# Altium PCB LOAPAY_V6.6.8.PcbDoc (part 1 of 2) (continued)
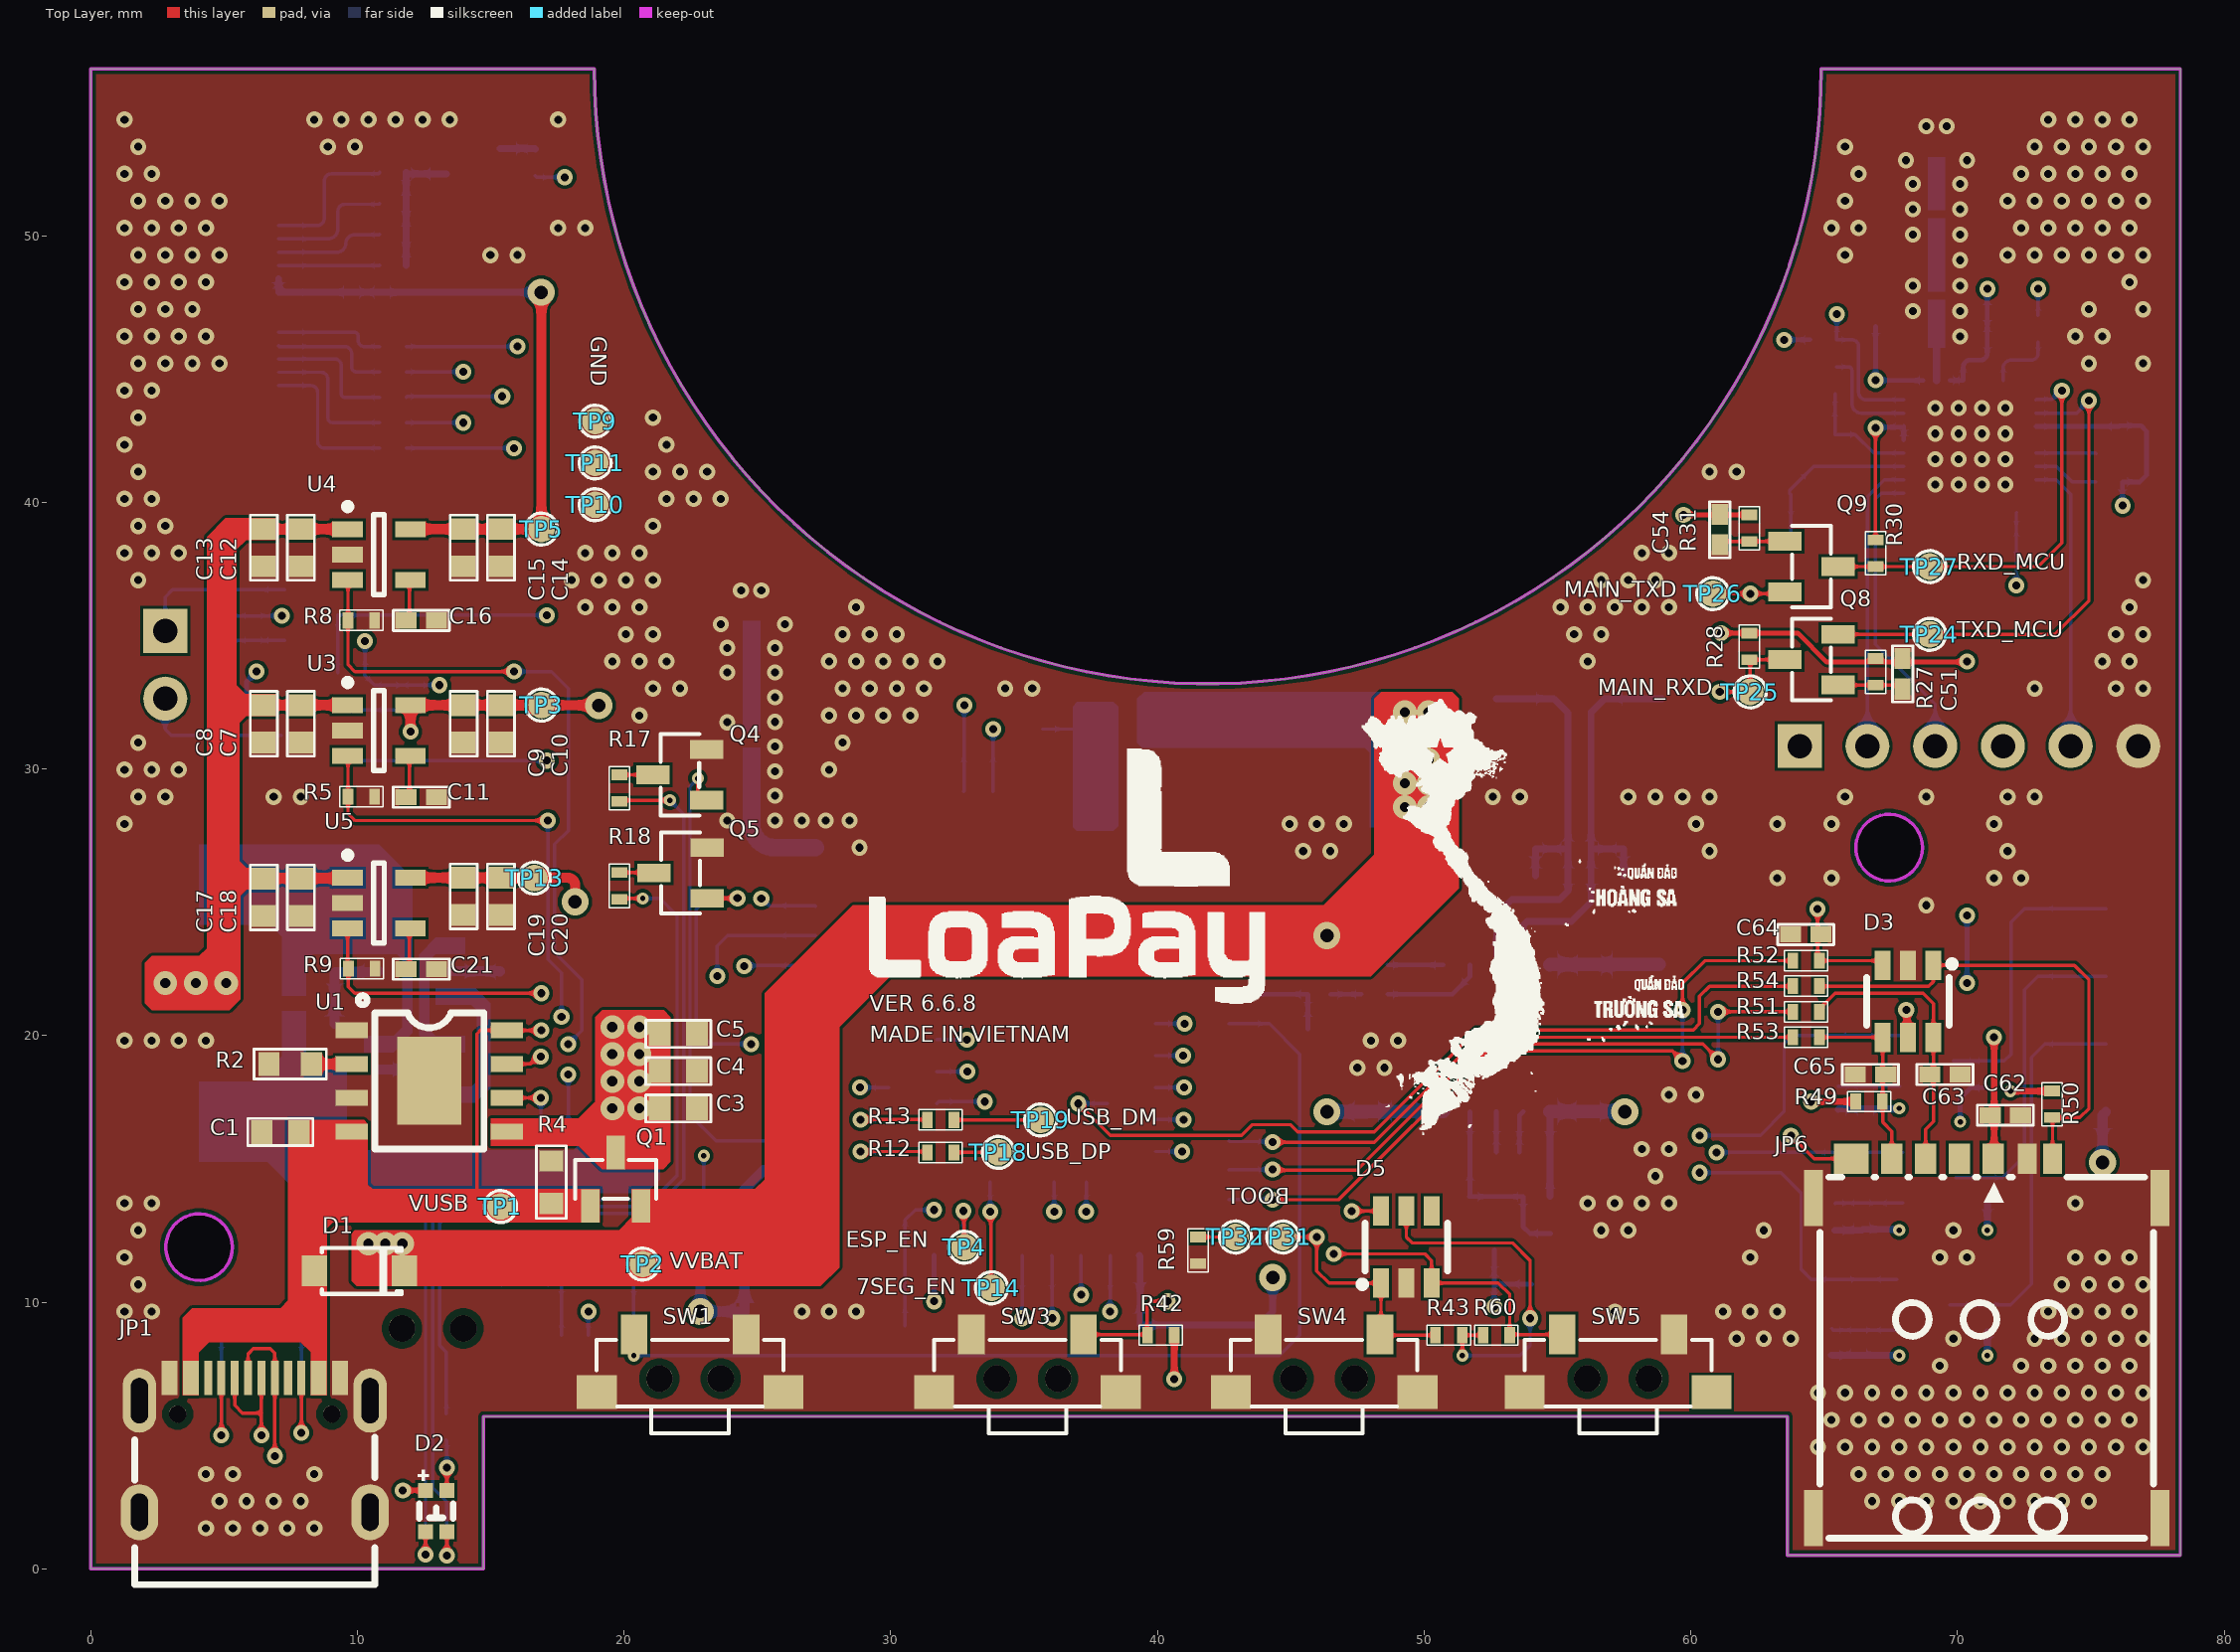
[diagram p0: Top Layer view]
## Components (designator, comment, footprint, x,y, rotation, side; value= is the part's Value field where it differs from the comment) (continued)
TP12 "Test Point" TEST_POINT 30.53,9.116 r90 bottom
TP13 "Test Point" TEST_POINT 16.637,25.908 r90 top
TP14 "Test Point" TEST_POINT 33.782,10.541 r90 top
TP15 "Test Point" TEST_POINT 35.687,31.496 r90 bottom
TP16 "Test Point" TEST_POINT 24.511,9.652 r90 bottom
TP17 "Test Point" TEST_POINT 39.37,9.144 r90 bottom
TP18 "Test Point" TEST_POINT 34.036,15.621 r90 top
TP19 "Test Point" TEST_POINT 35.62,16.837 r90 top
TP20 "Test Point" TEST_POINT 45.639,20.25 r90 bottom
TP21 "Test Point" TEST_POINT 54.737,12.573 r90 bottom
TP22 "Test Point" TEST_POINT 44.831,24.13 r90 bottom
TP23 "Test Point" TEST_POINT 54.033,10.676 r90 bottom
TP24 "Test Point" TEST_POINT 68.961,35.052 r90 top
TP25 "Test Point" TEST_POINT 62.23,32.893 r90 top
TP26 "Test Point" TEST_POINT 60.833,36.576 r90 top
TP27 "Test Point" TEST_POINT 68.961,37.592 r90 top
TP28 "Test Point" TEST_POINT 65.532,10.795 r0 bottom
TP29 "Test Point" TEST_POINT 65.532,15.621 r0 bottom
TP30 "Test Point" TEST_POINT 66.294,19.989 r0 bottom
TP31 "Test Point" TEST_POINT 44.704,12.446 r90 top
TP32 "Test Point" TEST_POINT 42.926,12.446 r90 top
U1 "TP4056" IC_ESOP-8 12.697,18.3 r270 top
U2 "DW01A" IC_SOT23-6 13.495,23.368 r180 bottom
U3 "RT9193-33GB" ICP_SOT23_5 10.809,31.447 r0 top
U4 "RT9193-33GB" ICP_SOT23_5 10.809,38.045 r0 top
U5 "RT9193-33GB" ICP_SOT23_5 10.809,24.97 r0 top
U6 "EC800M-CN" ECM800-CN 35.178,20.451 r180 bottom
U7 "HAA9811" IC_ESOP-10 52.875,19.904 r180 bottom
U8 "ESP8285N08" QFN-32_L5.0-W5.0 70.465,42.071 r270 bottom
Y1 "26MHz" SMD3225-4P 64.542,41.432 r270 bottom

## Footprints (in the part's own frame and the unit in brackets; to place one, negate y for a bottom-side part, rotate by r counter-clockwise, add the part's x,y. Pads: shape width x height; smd on the part's side, far side on the other; paste and mask are expansions set on the pad)
BX-TS-26-3635TT [mm]
  rect 1x1.5 smd paste+0 mask+0.051: 1(1.4,-2.159) 2(5.6,-2.159)
  rect 1.5x1.27 smd paste+0 mask+0.051: 3(0,0) 4(7,0)
  round 1 hole 1 unplated paste-2539.97: ""(2.35,-0.505) ""(4.65,-0.505)
  silkscreen extent 0,-1.95 7,1.55, body extent -0.43,-2.23 7.37,1.47, height 3.5
C0402_2 [mm]
  rect 0.79x0.6 smd: 1(-0.581,0) 2(0.562,0)
  silkscreen extent -1.07,-0.38 1.04,0.38, body extent -0.57,-0.3 0.43,0.3, height 0.2
C0603 [mm]
  rect 0.813x0.9 smd paste+0 mask+0.051: 1(-0.7,0) 2(0.7,0)
  silkscreen extent -1.22,-0.51 1.22,0.51, body extent -0.8,-0.4 0.8,0.4, height 0.6
CAP-ALU-SMD-C-NEW [mm]
  rect 2.8x1.1 smd paste+0 mask+0.051: 1(0,0) 2(4.2,0)
  silkscreen extent -0.56,-2.62 4.76,2.65, body extent -0.79,-2.65 5.11,2.65, height 5.41
CAP-ALU-SMD-D-NEW [mm]
  rect 3.5x1.2 smd paste+0 mask+0.051: 1(0,0) 2(5.34,0)
  silkscreen extent -0.71,-3.38 6.05,3.38, body extent -0.83,-3.3 6.17,3.3, height 5.4
D_SOD-123_L2.8-W1.8-LS3.7-RD [mm]
  rect 0.95x1.15 smd paste+0 mask+0.051: 1(-1.693,0) 2(1.693,0)
  silkscreen extent -1.58,-0.87 1.41,0.87, body extent -1.95,-0.85 1.9,0.85, height 1.36
D_SOT23-6 [mm]
  rect 1.1x0.6 smd paste+0 mask+0.051: 1(0,0) 2(0,-0.95) 3(0,-1.9) 4(2.7,-1.9) 5(2.7,-0.95) 6(2.7,0)
  silkscreen extent -0.17,-2.5 2.25,0.83, body extent 0.15,-2.52 2.65,0.48, height 1.1
ECM800-CN [mm]
  oval 2.3x0.6 smd paste+0 mask+0.05: 1(-7.5,6.6) 2(-7.5,5.5) 3(-7.5,4.4) 4(-7.5,3.3) 5(-7.5,2.2) 6(-7.5,1.1) 7(-7.5,0) 8(-7.5,-1.1) 9(-7.5,-2.2) 10(-7.5,-3.3) 11(-7.5,-4.4) 12(-7.5,-5.5) 13(-7.5,-6.6) 23(8,-6.6) 24(8,-5.5) 25(8,-4.4) 26(8,-3.3) 27(8,-2.2) 28(8,-1.1) 29(8,0) 30(8,1.1) 31(8,2.2) 32(8,3.3) 33(8,4.4) 34(8,5.5)
  oval 0.6x2.3 smd paste+0 mask+0.05: 14(-4.15,-8.7) 15(-3.05,-8.7) 16(-1.95,-8.7) 17(-0.85,-8.7) 18(0.25,-8.7) 19(1.35,-8.7) 20(2.45,-8.7) 21(3.55,-8.7) 22(4.65,-8.7) 36(4.65,8.7) 37(3.55,8.7) 38(2.45,8.7) 39(1.35,8.7) 40(0.25,8.7) 41(-0.85,8.7) 42(-1.95,8.7) 43(-3.05,8.7) 44(-4.15,8.7) 95(-5.25,-8.7) 96(5.75,-8.7) 97(5.75,8.7) 98(-5.25,8.7)
  oval 2.3x0.66 smd paste+0 mask+0.05: 35(8,6.6)
  rect 1x0.7 smd paste+0 mask+0.05: 45(-4.75,4.8) 46(-4.75,3.6) 47(-4.75,2.4) 48(-4.75,1.2) 49(-4.75,0) 50(-4.75,-1.2) 51(-4.75,-2.4) 52(-4.75,-3.6) 53(-4.75,-4.8) 59(5.25,-4.8) 60(5.25,-3.6) 61(5.25,-2.4) 62(5.25,-1.2) 63(5.25,0) 64(5.25,1.2) 65(5.25,2.4) 66(5.25,3.6) 67(5.25,4.8) 73(-2.95,4.2) 74(-2.95,3) 75(-2.95,1.8) 76(-2.95,0.6) 77(-2.95,-0.6) 78(-2.95,-1.8) 79(-2.95,-3) 80(-2.95,-4.2) 81(3.45,-4.2) 82(3.45,-3) 83(3.45,-1.8) 84(3.45,-0.6) 85(3.45,0.6) 86(3.45,1.8) 87(3.45,3) 88(3.45,4.2) 99(-4.75,6) 100(-4.75,-6) 103(5.25,-6) 104(5.25,6)
  rect 0.7x1 smd paste+0 mask+0.05: 54(-2.15,-5.95) 55(-0.95,-5.95) 56(0.25,-5.95) 57(1.45,-5.95) 58(2.65,-5.95) 68(2.65,5.95) 69(1.45,5.95) 70(0.25,5.95) 71(-0.95,5.95) 72(-2.15,5.95) 101(-3.35,-5.95) 102(3.85,-5.95) 105(3.85,5.95) 106(-3.35,5.95) 107(-0.95,-4.15) 108(0.25,-4.15) 109(1.45,-4.15)
  rect 1.3x1.3 smd paste+0 mask+0.05: 89(-0.65,1.8) 90(-0.65,0) 91(-0.65,-1.8) 92(1.15,-1.8) 93(1.15,0) 94(1.15,1.8)
  silkscreen extent -9.15,-8.9 8.15,8.8, body extent -7.65,-8.93 8.15,8.77, height 2.36
FPC-SMD-18P-TOP [mm]
  rect 0.3x1.8 smd paste+0 mask+0.05: 1(-4.25,0.95) 2(-3.75,0.95) 3(-3.25,0.95) 4(-2.75,0.95) 5(-2.25,0.95) 6(-1.75,0.95) 7(-1.25,0.95) 8(-0.75,0.95) 9(-0.25,0.95) 10(0.25,0.95) 11(0.75,0.95) 12(1.25,0.95) 13(1.75,0.95) 14(2.25,0.95) 15(2.75,0.95) 16(3.25,0.95) 17(3.75,0.95) 18(4.25,0.95)
  rect 2.5x3.2 smd paste+0 mask+0.05: 19(6.2,-0.95) 20(-6.2,-0.95)
  silkscreen extent -7.3,-4.84 7.3,1.78, body extent -7.55,-4.33 7.55,0.67, height 1.91
IC_ESOP-8 [mm]
  rect 0.6x1.2 smd paste+0 mask+0.051: 1(-1.905,-2.908) 2(-0.635,-2.908) 3(0.635,-2.908) 4(1.905,-2.908) 5(1.905,2.908) 6(0.635,2.908) 7(-0.635,2.908) 8(-1.905,2.908)
  rect 3.3x2.4 smd paste+0 mask+0.051: 9(0,0)
  silkscreen extent -3.2,-2.67 2.55,2.05, body extent -2.45,-3 2.45,3, height 1.75
IC_ESOP-10 [mm]
  rect 0.6x1.5 smd paste+0 mask+0.051: 1(-1.843,-2.75) 2(-0.843,-2.75) 3(0.157,-2.75) 4(1.157,-2.75) 5(2.157,-2.75) 6(2.157,2.75) 7(1.157,2.75) 8(0.157,2.75) 9(-0.843,2.75) 10(-1.843,2.75)
  rect 2.8x2.4 smd paste+0 mask+0.051: 11(0.157,0)
  silkscreen extent -2.78,-2.96 2.66,2, body extent -2.23,-2.74 2.67,2.74, height 1.69
IC_SOT23-6 [mm]
  rect 1.1x0.6 smd paste+0 mask+0.051: 1(0,0) 2(0,-0.95) 3(0,-1.9) 4(2.7,-1.9) 5(2.7,-0.95) 6(2.7,0)
  silkscreen extent -0.17,-2.5 2.25,0.83, body extent 0.15,-2.52 2.65,0.48, height 1.1
ICP_SOT23_5 [mm]
  rect 1.15x0.6 smd: 1(-1.175,0.95) 2(-1.175,0) 3(-1.175,-0.95) 4(1.175,-0.95) 5(1.175,0.95)
  silkscreen extent -1.3,-1.5 0.2,1.92, body extent -1.4,-1.45 1.4,1.45, height 1.45
IPEX-SMD_BWIPX-1-001E [mm]
  rect 1.05x1 smd paste+0 mask+0.051: 1(-1.274,0)
  rect 2.2x1.05 smd paste+0 mask+0.051: 2(0.251,-1.475) 2(0.251,1.475)
  silkscreen extent -1.15,-1.27 1.65,1.27, body extent -1.3,-1.5 1.8,1.5, height 1.25
"JP2_M - 2" [mil]
  rect 65x65 hole 36: 1(0,0)
  round 65 hole 36: 2(100,0)
  silkscreen extent -45,-45 145,45
"JP5_M_SMD - 2" [mm]
  rect 1.27x4 smd: 1(0,0)
  oval 1.27x4 smd: 2(2.54,0) 3(5.08,0) 4(7.62,0) 5(10.16,0)
  silkscreen extent -1.14,-2.41 11.3,2.41
JP6_M_2 [mil]
  rect 65x65 hole 36: 1(0,0)
  round 65 hole 36: 2(100,0) 3(200,0) 4(300,0) 5(400,0) 6(500,0)
  silkscreen extent -45,-45 547,45
"L0402 - 2" [mm]
  rect 0.7x0.6 smd paste-100 mask+0.051: 1(1,0) 2(0,0)
  silkscreen extent -0.43,-0.38 1.42,0.38, body extent 0,-0.25 1.02,0.25, height 0.52
LED-SMD_4P-L2.0-W1.3-BR [mm]
  rect 0.55x0.55 smd paste+0 mask+0.051: 1(0.529,-0.4) 2(-1.021,-0.4) 3(0.529,0.4) 4(-1.021,0.4)
  silkscreen extent -0.51,-0.64 1.3,0.68, body extent -1,-0.77 0.6,0.83, height 0.38
QFN-32_L5.0-W5.0 [mm]
  rect 0.65x0.28 smd paste-100 mask+0.051: 1(-2.506,1.75) 2(-2.506,1.25) 3(-2.506,0.75) 4(-2.506,0.25) 5(-2.506,-0.25) 6(-2.506,-0.75) 7(-2.506,-1.25) 8(-2.506,-1.75) 17(2.449,-1.75) 18(2.449,-1.25) 19(2.449,-0.75) 20(2.449,-0.25) 21(2.449,0.25) 22(2.449,0.75) 23(2.449,1.25) 24(2.449,1.75)
  rect 0.28x0.65 smd paste-100 mask+0.051: 9(-1.778,-2.478) 10(-1.278,-2.478) 11(-0.778,-2.478) 12(-0.278,-2.478) 13(0.222,-2.478) 14(0.722,-2.478) 15(1.222,-2.478) 16(1.722,-2.478) 25(1.722,2.478) 26(1.222,2.478) 27(0.722,2.478) 28(0.222,2.478) 29(-0.278,2.478) 30(-0.778,2.478) 31(-1.278,2.478) 32(-1.778,2.478)
  rect 3.8x3.8 smd paste-100 mask+0.051: 33(-0.028,0)
  silkscreen extent -3.03,-2.58 2.55,2.58, body extent -2.51,-2.51 2.51,2.51, height 0.77
RES_SMD_0402 [mm]
  rect 0.4x0.6 smd: 1(-0.5,0) 2(0.5,0)
  silkscreen extent -0.81,-0.38 0.81,0.38, body extent -0.5,-0.25 0.5,0.25, height 0.35
RES_SMD_0603 [mil]
  rect 31x35.43 smd: 1(-31,0) 2(32,0)
  silkscreen extent -53,-22 54,22, body extent -31,-16 31,16, height 17
RES_SMD_0805 [mil]
  rect 39.37x55 smd: 1(-45,0) 2(45,0)
  silkscreen extent -70,-34 70,33, body extent -39,-25 39,25, height 31
SIM-SMD_ATOM-A05447-1 [mm]
  rect 0.7x2.1 smd paste+0 mask+0.05: 1(-6.5,5.5) 2(-6.5,-6.5) 3(6.5,5.5) 4(6.5,-6.5)
  rect 0.8x1.14 smd paste+0 mask+0.05: C1(0.25,6.98) C2(-2.29,6.98) C6(-1.02,6.98) C7(-3.56,6.98)
  rect 1.3x1.14 smd paste+0 mask+0.05: C3(-5.08,6.98)
  rect 0.7x1.14 smd paste+0 mask+0.05: C5(1.52,6.98) CD(2.47,6.98)
  silkscreen extent -6.25,-7.26 6.25,6.29, body extent -6.52,-7.23 6.57,7.26, height 1.42
SMD3225-4P [mm]
  rect 1.4x1.2 smd paste+0 mask+0.051: 1(-1.113,-0.863) 2(1.087,-0.863) 3(1.087,0.837) 4(-1.113,0.837)
  silkscreen extent -2.04,-1.69 2.02,1.67, body extent -1.6,-1.25 1.6,1.25, height 0.68
"SOLDERING PAD BIG 5" [mm]
  rrect50% 5x3 smd: 1(0,0)
TEST_POINT [mm]
  round 1 smd: 1(0,0)
  silkscreen extent -0.6,-0.6 0.6,0.6
TF_SOT23-6 [mm]
  rect 1.1x0.6 smd paste+0 mask+0.051: 1(0,0) 2(0,-0.95) 3(0,-1.9) 4(2.7,-1.9) 5(2.7,-0.95) 6(2.7,0)
  silkscreen extent -0.17,-2.5 2.25,0.83, body extent 0.15,-2.52 2.65,0.48, height 1.1
TF_SOT_23_3 [mm]
  rect 0.7x1.25 smd paste+0 mask+0.051: 1(-0.95,-2.006) 2(0.95,-2.006) 3(0,-0.006)
  silkscreen extent -1.53,-1.73 1.53,-0.28, body extent -1.52,-2.29 1.47,0.21, height 1.1
"TYPE C 16P" [mm]
  rect 0.6x1.3 smd paste-100 mask+0.051: A1(1.125,-0.855) A1(7.525,-0.855) A4(1.925,-0.855) A4(6.725,-0.855)
  rect 0.3x1.3 smd paste-100 mask+0.051: A5(5.575,-0.855) A6(4.575,-0.855) A7(4.075,-0.855) A8(3.075,-0.855) B5(2.575,-0.855) B6(3.575,-0.855) B7(5.075,-0.855) B8(6.075,-0.855)
  oval 1.4x2.1 hole 0.65 slot 1.4 at 90 deg paste-2539.97 mask+0.05: S1(0,4.18) S1(8.65,4.18)
  oval 1.25x2.4 hole 0.65 slot 1.7 at 90 deg paste-2539.97 mask+0.05: S1(0,0) S1(8.65,0)
  round 0.65 hole 0.65 unplated paste-2539.97: ""(1.435,0.5) ""(7.215,0.5)
  silkscreen extent -0.18,1.36 8.83,6.9, body extent -0.16,-1.14 8.79,6.76, height 3.26

## Part data
AT1 AT2: library part "BAT WIRELESS BWU.FL-IPEX1", "1 Inner pin IPEX Board-End 1.25mm 6GHz 50Ω 2mm SMD Coaxial Connectors (RF) ROHS", LCSC Part=C5137195, Manufacturer="BAT WIRELESS", Package=SMD, Link=https://www.lcsc.com/product-detail/Coaxial-Connectors-RF_BAT-WIRELESS-BWU-FL-IPEX1_C5137195.html?s_z=n_IPEX, Manufacture Part Number=BWU.FL-IPEX1, Packaging="Cut Tape"
C1 C2 C3: library part C0603_MLCC_100nF_10V, "10V 100nF X7R ±10% 0603 Multilayer Ceramic Capacitors MLCC - SMD/SMT ROHS", LCSC Part=C519438, Manufacture Part Number=CC0603KRX7R6BB104, Manufacturer=YAGEO, Package=0603, Tolerance=±10%, Link=https://www.lcsc.com/product-detail/Multilayer-Ceramic-Capacitors-MLCC-SMD-SMT_YAGEO-CC0603KRX7R6BB104_C519438.html?s_z=n_0603%20100nF%2010V, Packaging="Cut Tape (CT)"
C4 C6 C7 C10 C12 C15 C17 C20 C32: library part C0603_MLCC_10uF_10V, "10V 10uF X5R ±10% 0603 Multilayer Ceramic Capacitors MLCC - SMD/SMT ROHS", LCSC Part=C19702, Manufacture Part Number=CL10A106KP8NNNC, Manufacturer="Samsung Electro-Mechanics", Package=0603, Tolerance=±10%, Link=https://www.lcsc.com/product-detail/Multilayer-Ceramic-Capacitors-MLCC-SMD-SMT_Samsung-Electro-Mechanics-CL10A106KP8NNNC_C19702.html?s_z=h_0603%2010uF%2010V, Packaging="Cut Tape (CT)"
C5 C40: library part C0603_MLCC_22uF_10V, "10V 22uF X5R ±20% 0603 Multilayer Ceramic Capacitors MLCC - SMD/SMT ROHS", LCSC Part=C86295, Manufacture Part Number=CL10A226MP8NUNE, Manufacturer="Samsung Electro-Mechanics", Package=0603, Tolerance=±20%, Link=https://www.lcsc.com/product-detail/Multilayer-Ceramic-Capacitors-MLCC-SMD-SMT_Samsung-Electro-Mechanics-CL10A226MP8NUNE_C86295.html?s_z=n_0603%2022uF%2010V, Packaging="Cut Tape (CT)"
C8 C9 C13 C14 C18 C19 C38 C39: library part C0603_MLCC_1uF_10V, "10V 1uF X5R ±10% 0603 Multilayer Ceramic Capacitors MLCC - SMD/SMT ROHS", LCSC Part=C26413, Manufacture Part Number=CL10A105KP8NNNC, Manufacturer="Samsung Electro-Mechanics", Package=0603, Tolerance=±10%, Link=https://www.lcsc.com/product-detail/Multilayer-Ceramic-Capacitors-MLCC-SMD-SMT_Samsung-Electro-Mechanics-CL10A105KP8NNNC_C26413.html?s_z=n_0603%201uF%2010V, Packaging="Cut Tape (CT)"
C11 C16 C21: library part C0402_MLCC_22pF_50V, "50V 22pF NP0 ±1% 0402 Multilayer Ceramic Capacitors MLCC - SMD/SMT ROHS", LCSC Part=C295968, Manufacture Part Number=0402N220F500CT, Manufacturer="Walsin Tech Corp", Package=0402, Tolerance=±1%, Link=https://www.lcsc.com/product-detail/Multilayer-Ceramic-Capacitors-MLCC-SMD-SMT_Walsin-Tech-Corp-0402N220F500CT_C295968.html?s_z=n_0402N220F500CT, Packaging="Cut Tape (CT)"
C22 C50 C62: library part C0402_MLCC_100nF_16V, "16V 100nF X7R ±10% 0402 Multilayer Ceramic Capacitors MLCC - SMD/SMT ROHS", LCSC Part=C60474, Manufacture Part Number=CC0402KRX7R7BB104, Manufacturer=YAGEO, Package=0402, Tolerance=±10%, Link=https://www.lcsc.com/product-detail/Multilayer-Ceramic-Capacitors-MLCC-SMD-SMT_YAGEO-CC0402KRX7R7BB104_C60474.html?s_z=n_0402%20100nF, Packaging="Cut Tape (CT)"
C23 C34 C41 C44 C63 C64 C65: library part C0402_MLCC_33pF_50V, "50V 33pF NP0 ±5% 0402 Multilayer Ceramic Capacitors MLCC - SMD/SMT ROHS", LCSC Part=C107005, Manufacture Part Number=CC0402JRNPO9BN330, Manufacturer=YAGEO, Package=0402, Tolerance=±5%, Link=https://www.lcsc.com/product-detail/Multilayer-Ceramic-Capacitors-MLCC-SMD-SMT_YAGEO-CC0402JRNPO9BN330_C107005.html?s_z=n_0402%2033Pf, Packaging="Cut Tape (CT)"
C24 C35 C42 C45 C46 C47: library part C0402_MLCC_10pF_50V, "50V 10pF C0G ±5% 0402 Multilayer Ceramic Capacitors MLCC - SMD/SMT ROHS", LCSC Part=C513437, Manufacture Part Number=V100J0402C0G500NBT, Manufacturer=VIIYONG, Package=0402, Tolerance=±5%, Link=https://www.lcsc.com/product-detail/Multilayer-Ceramic-Capacitors-MLCC-SMD-SMT_VIIYONG-V100J0402C0G500NBT_C513437.html?s_z=n_0402%2010p, Packaging="Cut Tape (CT)"
C25: library part C0402_MLCC_3.9pF_50V, "50V 3.9pF NP0 0402 Multilayer Ceramic Capacitors MLCC - SMD/SMT ROHS", LCSC Part=C505474, Manufacture Part Number=CC0402BRNPO9BN3R9, Manufacturer=YAGEO, Package=0402, Tolerance=±0.1pF, Link=https://www.lcsc.com/product-detail/Multilayer-Ceramic-Capacitors-MLCC-SMD-SMT_YAGEO-CC0402BRNPO9BN3R9_C505474.html?s_z=n_0402%203.9p, Packaging="Cut Tape (CT)"
C26: library part C0402_MLCC_1.8pF_50V, "50V 1.8pF C0G 0402 Multilayer Ceramic Capacitors MLCC - SMD/SMT ROHS", LCSC Part=C76903, Manufacture Part Number=GJM1555C1H1R8WB01D, Manufacturer="Murata Electronics", Package=0402, Tolerance=±0.05pF, Link=https://www.lcsc.com/product-detail/Multilayer-Ceramic-Capacitors-MLCC-SMD-SMT_Murata-Electronics-GJM1555C1H1R8WB01D_C76903.html?s_z=n_0402%201.8p, Packaging="Cut Tape (CT)"
C27: library part C_ALU_100uF_10V_C, "100uF 10V 49mA@120Hz ±20% SMD,D5xL5.4mm Aluminum Electrolytic Capacitors - SMD ROHS", LCSC Part=C3001205, Manufacture Part Number=CS1A101M-CRD54, Manufacturer=ROQANG, Package=SMD,D5xL5.4mm, Tolerance=±20%, Link=https://www.lcsc.com/product-detail/Aluminum-Electrolytic-Capacitors-SMD_ROQANG-CS1A101M-CRD54_C3001205.html?s_z=n_C3001205, Packaging="Cut Tape (CT)"
C28 C29: library part C0402_MLCC_1pF_50V, "50V 1pF NP0 0402 Multilayer Ceramic Capacitors MLCC - SMD/SMT ROHS", LCSC Part=C301966, Manufacture Part Number=0402N1R0B500CT, Manufacturer="Walsin Tech Corp", Package=0402, Tolerance=±0.1pF, Link=https://www.lcsc.com/product-detail/Multilayer-Ceramic-Capacitors-MLCC-SMD-SMT_Walsin-Tech-Corp-0402N1R0B500CT_C301966.html?s_z=n_0402%201pF, Packaging="Cut Tape (CT)"
C30 C31 C51 C54 C59 C60 C61: library part C0402_MLCC_1nF_50V, "50V 1nF X7R ±10% 0402 Multilayer Ceramic Capacitors MLCC - SMD/SMT ROHS", LCSC Part=C1852263, Manufacture Part Number=GCM155R71H102KA37J, Manufacturer="Murata Electronics", Package=0402, Tolerance=±10%, ComponentLink1Description="Link LCSC", Link=https://www.lcsc.com/product-detail/Multilayer-Ceramic-Capacitors-MLCC-SMD-SMT_Murata-Electronics-GCM155R71H102KA37J_C1852263.html?s_z=n_1nF%200402, Packaging="Cut Tape (CT)"
C33: library part C_ALU_220uF_10V_D, "220uF 10V 110mA@120Hz ±20% SMD,D6.3xL7.7mm Aluminum Electrolytic Capacitors - SMD ROHS", LCSC Part=C72495, Manufacture Part Number=RVT1A221M0607, Manufacturer=ROQANG, Package=SMD,D6.3xL7.7mm, Tolerance=±20%, Link=https://www.lcsc.com/product-detail/Aluminum-Electrolytic-Capacitors-SMD_ROQANG-RVT1A221M0607_C72495.html?s_z=n_RVT1A221M0607, Packaging="Cut Tape (CT)"
C36 C43: library part C0402_MLCC_3.3nF_50V, "50V 3.3nF X7R ±10% 0402 Multilayer Ceramic Capacitors MLCC - SMD/SMT ROHS", LCSC Part=C107028, Manufacture Part Number=CC0402KRX7R9BB332, Manufacturer=YAGEO, Package=0402, Tolerance=±10%, Link=https://www.lcsc.com/product-detail/Multilayer-Ceramic-Capacitors-MLCC-SMD-SMT_YAGEO-CC0402KRX7R9BB332_C107028.html?s_z=n_0402%25203.3nF%2520, Packaging="Cut Tape (CT)"
C37: library part C0402_MLCC_4.7uF_16V, "16V 4.7uF X5R ±20% 0402 Multilayer Ceramic Capacitors MLCC - SMD/SMT ROHS", LCSC Part=C318563, Manufacture Part Number=CL05A475MO5NUNC, Manufacturer="Samsung Electro-Mechanics", Package=0402, Tolerance=±20%, Link=https://www.lcsc.com/product-detail/Multilayer-Ceramic-Capacitors-MLCC-SMD-SMT_Samsung-Electro-Mechanics-CL05A475MO5NUNC_C318563.html?s_z=n_0402%204.7U, Packaging="Cut Tape (CT)"
C48 C55 C56 C57: library part C0402_MLCC_1uF_10V, "10V 1uF X5R ±10% 0402 Multilayer Ceramic Capacitors MLCC - SMD/SMT ROHS", LCSC Part=C14445, Manufacture Part Number=CL05A105KP5NNNC, Manufacturer="Samsung Electro-Mechanics", Package=0402, Tolerance=±10%, Link=https://www.lcsc.com/product-detail/Multilayer-Ceramic-Capacitors-MLCC-SMD-SMT_Samsung-Electro-Mechanics-CL05A105KP5NNNC_C14445.html?s_z=n_0402%201uF, Packaging="Cut Tape (CT)"
C49 C58: library part C0402_MLCC_10uF_10V, "10V 10uF X5R ±20% 0402 Multilayer Ceramic Capacitors MLCC - SMD/SMT ROHS", LCSC Part=C315248, Manufacture Part Number=CL05A106MP5NUNC, Manufacturer="Samsung Electro-Mechanics", Package=0402, Tolerance=±20%, Link=https://www.lcsc.com/product-detail/Multilayer-Ceramic-Capacitors-MLCC-SMD-SMT_Samsung-Electro-Mechanics-CL05A106MP5NUNC_C315248.html?s_z=n_10uF%2050V%200402, Packaging="Cut Tape (CT)"
C52: library part C0402_MLCC_1.4pF_50V, "50V 1.4pF C0G 0402 Multilayer Ceramic Capacitors MLCC - SMD/SMT ROHS", LCSC Part=C161310, Manufacture Part Number=GJM1555C1H1R4BB01D, Manufacturer="Murata Electronics", Package=0402, Tolerance=±0.1pF, Link=https://lcsc.com/product-detail/Multilayer-Ceramic-Capacitors-MLCC-SMD-SMT_Murata-Electronics-GJM1555C1H1R4BB01D_C161310.html?s_z=n_0402%25201.4pF, Packaging="Cut Tape (CT)"
C53: library part C0402_MLCC_1.7pF_50V, "50V 1.7pF C0G 0402 Multilayer Ceramic Capacitors MLCC - SMD/SMT ROHS", LCSC Part=C161313, Manufacture Part Number=GJM1555C1H1R7BB01D, Manufacturer="Murata Electronics", Package=0402, Tolerance=±0.1pF, Link=https://lcsc.com/product-detail/Multilayer-Ceramic-Capacitors-MLCC-SMD-SMT_Murata-Electronics-GJM1555C1H1R7BB01D_C161313.html?s_z=n_0402%25201.7pF, Packaging="Cut Tape (CT)"
D1: "1A Independent Type 1000V 1.1V SOD-123FL Diodes - General Purpose ROHS", LCSC Part=C83356, Manufacturer=LRC, Package=SOD-123FL, Link=https://www.lcsc.com/product-detail/Diodes-General-Purpose_LRC-SOD4007-SH_C83356.html?s_z=n_SOD4007-SH, Manufacture Part Number=SOD4007-SH, Packaging="Cut Tape"
D2: "0805 RGB LEDs ROHS", LCSC Part=C965848, Manufacturer=XINGLIGHT, Package=0805, Link=https://lcsc.com/product-detail/RGB-LEDs_XINGLIGHT-XL-2012RGBC_C965848.html?s_z=n_RGB%2520LEDS, Manufacture Part Number=XL-2012RGBC, Packaging="Cut Tape (CT)"
D3 D4 D5: "4.5A 60W 12V 6V Unidirectional 5V SOT23-6 ESD and Surge Protection (TVS/ESD) ROHS", LCSC Part=C5180279, Manufacturer=ElecSuper, Package=SOT23-6, Link=https://www.lcsc.com/product-detail/ESD-and-Surge-Protection-TVS-ESD_ElecSuper-USBLC6-4SC6-ES_C5180279.html?s_z=n_USBLC6-4SC6, Manufacture Part Number=USBLC6-4SC6-ES, Packaging="Cut Tape"
JP1: library part TYPE_C_16P, "USB-C (USB TYPE-C) USB 2.0 Receptacle Connector 24 (16+8 Dummy) Position Surface Mount, Right Angle; Through Hole", LCSC Part=C2765186, Manufacture Part Number=12402012E212A, Manufacturer="Amphenol ICC (Commercial Products)", Package=Plugin, Link=https://www.lcsc.com/product-detail/USB-Connectors_SHOU-HAN-TYPE-C-16PIN-2MD-073_C2765186.html?s_z=n_c2765186, Packaging="Cut Tape"
JP2: "Straight Policy 2.5mm 2P 6mm -40℃~+105℃ 3mm 2.54mm Single Row Black Brass 1x2P Plugin,P=2.54mm Pin Headers ROHS", LCSC Part=C492401, Manufacturer=XFCN, Package=Push-Pull,P=2.54mm, Link=https://www.lcsc.com/product-detail/Pin-Headers_XFCN-PZ254V-11-02P_C492401.html?s_z=n_PZ254-11-02P, Manufacture Part Number=PZ254V-11-02P, Packaging="Cut Tape"
JP3: "250V 3A Policy 2.5mm 4P 6mm -40℃~+105℃ 3mm 2.54mm Single Row Black 1x4P Plugin,P=2.54mm Pin Headers ROHS", LCSC Part=C492405, Manufacturer=XFCN, Package=Plugin,P=2.54mm, Link=https://www.lcsc.com/product-detail/Pin-Headers_XFCN-PZ254V-11-06P_C492405.html?s_z=n_PZ254V-11-06P, Manufacture Part Number=PZ254V-11-06P, Packaging="Cut Tape"
JP4: "Drawer Type -25℃~+85℃ 18P Contact,Top Horizontal attachment 0.5mm SMD,P=0.5mm,Surface Mount，Right Angle FFC, FPC (Flat Flexible) Connector Assemblies ROHS", LCSC Part=C2828051, Manufacturer="Shenzhen Kinghelm Elec", Package="SMD,P=0.5mm,Surface Mount，Right Angle", Link=https://www.lcsc.com/product-detail/FFC-FPC-Flat-Flexible-Connector-Assemblies_Shenzhen-Kinghelm-Elec-KH-CL0-5-H2-0-18PS_C2828051.html, Manufacture Part Number=KH-CL0.5-H2.0-18PS, Packaging="Cut Tape"
JP5: library part "XFCN PZ254V-11-05P", "Policy 2.5mm 5P 6mm -40℃~+105℃ 3mm 2.54mm Single Row Black Brass 1x5P Plugin,P=2.54mm Pin Headers ROHS", LCSC Part=C492404, Manufacturer=XFCN, Package=Plugin,P=2.54mm, Link=https://www.lcsc.com/product-detail/Pin-Headers_XFCN-PZ254V-11-05P_C492404.html?s_z=n_XFCN%20PZ254V-11-05P, Manufacture Part Number=PZ254V-11-05P, Packaging="Cut Tape"
JP6: "Self-bouncing 1.37mm Card Slot Nano SIM card SMD SIM Card Connectors ROHS", LCSC Part=C36936580, Manufacturer=BXCONN, Package=SMD, Link=https://www.lcsc.com/product-detail/SIM-Card-Connectors_BXCONN-SIM304-TZ7P_C36936580.html?s_z=s_Connectors%7CSIM%20Card%20Connectors, Manufacture Part Number=SIM304-TZ7P, Packaging="Cut Tape"
L1: library part L0402_1.9nH_1.04A, "1.04A 1.9nH ±10% 70mΩ 0402 Inductors (SMD) ROHS", Current=1.04A, Inductor=1.9nH, LCSC Part=C317664, Manufacture Part Number=FHW0402UC1N9KST, Manufacturer="FH (Guangdong Fenghua Advanced Tech)", Package=0402, Link=https://lcsc.com/product-detail/Inductors-SMD_FH-Guangdong-Fenghua-Advanced-Tech-FHW0402UC1N9KST_C317664.html?s_z=n_0402%25201.9nH, Packaging="Cut Tape"
L2: library part L0402_3nH_800mA, "800mA 3nH 125mΩ 0402 Inductors (SMD) ROHS", Current=800mA, Inductor=3nH, LCSC Part=C19898, Manufacture Part Number=LQG15HS3N0S02D, Manufacturer="Murata Electronics", Package=0402, Link=https://lcsc.com/product-detail/Inductors-SMD_Murata-Electronics-LQG15HS3N0S02D_C19898.html?s_z=n_0402%25203nH, Packaging="Cut Tape"
Q1: "30V 4.2A 42mΩ@10V,4A 1.4W 800mV@250uA 1 Piece P-Channel SOT-23 MOSFETs ROHS", Continuous Drain Current (Id)=4.2A, Drain Source Voltage (Vdss)=30V, LCSC Part=C5224195, Manufacturer=ElecSuper, Package=SOT-23-3, Power Dissipation (Pd)=1.4W, Link=https://www.lcsc.com/product-detail/MOSFETs_ElecSuper-AO3401_C5224195.html, Manufacture Part Number=AO3401, Packaging="Cut Tape (CT)"
Q2: "20V 25mΩ@2.5V,3A 1.5W 500mV SOT-23-6 MOSFETs ROHS", Drain to Source Voltage=20V, Gate Threshold Voltage (Vgs(th)@Id)=500mV, LCSC Part=C2830320, Manufacturer="TECH PUBLIC", Package=SOT-23-6, Link=https://www.lcsc.com/product-detail/MOSFETs_TECH-PUBLIC-FS8205A_C2830320.html?s_z=n_fs8205, Manufacture Part Number=FS8205A, Packaging="Cut Tape (CT)", RDS(on)=25mΩ@2.5V,3A
Q3 Q4 Q5 Q6 Q7 Q8 Q9 Q10 Q11 Q12 Q13: "50V 200mW 200@2mA,6V 150mA NPN SOT-23 Bipolar (BJT) ROHS", Collector - Emitter Voltage VCEO=50V, Current - Collector Cutoff=100nA, Current - Collector(Ic)=150mA, DC Current Gain=200@2mA,6V, LCSC Part=C181171, Manufacturer="Guangdong Hottech", Package=SOT-23-3, Pd - Power Dissipation=200mW, Transition frequency(fT)=80MHz, Link=https://www.lcsc.com/product-detail/Bipolar-BJT_Guangdong-Hottech-2SC1815_C181171.html?s_z=n_c1815, Manufacture Part Number=2SC1815, Packaging="Cut Tape (CT)", Vce Saturation(VCE(sat))=250mV
R1 R3: library part R0603_1K, "1 kOhms ±1% 0.1W, 1/10W Chip Resistor 0603 (1608 Metric) Moisture Resistant Thick Film", LCSC Part=C22548, Manufacture Part Number=RC0603FR-071KL, Manufacturer=YAGEO, Package=0603, Tolerance=±1%, Link=https://www.lcsc.com/product-detail/Chip-Resistor-Surface-Mount_YAGEO-RC0603FR-071KL_C22548.html?s_z=n_RC0603FR-071KL, Link Digikey=https://www.digikey.com/en/products/detail/yageo/RC0603FR-071KL/726843, Packaging="Cut Tape (CT)"
R2: library part R0603_2K, "2 kOhms ±1% 0.1W, 1/10W Chip Resistor 0603 (1608 Metric) Moisture Resistant Thick Film", LCSC Part=C105576, Manufacture Part Number=RC0603FR-072KL, Manufacturer=YAGEO, Package=0603, Tolerance=±1%, Link=https://www.lcsc.com/product-detail/Chip-Resistor-Surface-Mount_YAGEO-RC0603FR-072KL_C105576.html?s_z=n_RC0603FR-072KL, Link Digikey=https://www.digikey.com/en/products/detail/yageo/RC0603FR-072KL/727009, Packaging="Cut Tape (CT)"
R4: library part R0603_10K, "10 kOhms ±1% 0.1W, 1/10W Chip Resistor 0603 (1608 Metric) Moisture Resistant Thick Film", LCSC Part=C98220, Manufacture Part Number=RC0603FR-0710KL, Manufacturer=YAGEO, Package=0603, Tolerance=±1%, Link=https://www.lcsc.com/product-detail/Chip-Resistor-Surface-Mount_YAGEO-RC0603FR-0710KL_C98220.html?s_z=n_RC0603FR-0710KL, Link Digikey=https://www.digikey.com/en/products/detail/yageo/RC0603FR-0710KL/726880, Packaging="Cut Tape (CT)"
R5 R8 R9 R15 R19 R23 R24 R26 R28 R29 R30 R32 R33 R41 R42 R43 R44 R46 R48 R60: library part R0402_10K, "10 kOhms ±1% 0.063W, 1/16W Chip Resistor 0402 (1005 Metric) Moisture Resistant Thick Film", LCSC Part=C60490, Manufacture Part Number=RC0402FR-0710KL, Manufacturer=YAGEO, Package=0402, Tolerance=±1%, Link=https://www.lcsc.com/product-detail/Chip-Resistor-Surface-Mount_YAGEO-RC0402FR-0710KL_C60490.html?s_z=n_RC0402FR-0710KL, Link Digikey=https://www.digikey.com/en/products/detail/yageo/RC0402FR-0710KL/726523, Packaging="Cut Tape (CT)"
R6 R7: library part R0402_5.1K, "5.1 kOhms ±1% 0.063W, 1/16W Chip Resistor 0402 (1005 Metric) Thick Film", LCSC Part=C4346772, Manufacture Part Number=RC0402FR-135K1L, Manufacturer=YAGEO, Package=0402, Tolerance=±1%, Link=https://www.lcsc.com/product-detail/Chip-Resistor-Surface-Mount_YAGEO-RC0402FR-135K1L_C4346772.html?s_z=n_RC0402FR-135K1L, Link Digikey=https://www.digikey.com/en/products/detail/yageo/RC0402FR-135K1L/14286364, Packaging="Cut Tape (CT)"
R10: library part R0805_0R, "0 Ohms Jumper Chip Resistor 0805 (2012 Metric) Moisture Resistant Thick Film", LCSC Part=C96345, Manufacture Part Number=RC0805JR-070RL, Manufacturer=YAGEO, Package=0805, Tolerance=±1%, Link=https://www.lcsc.com/product-detail/Chip-Resistor-Surface-Mount_YAGEO-RC0805JR-070RL_C96345.html?s_z=n_RC0805JR-070RL, Link Digikey=https://www.digikey.com/en/products/detail/yageo/RC0805JR-070RL/728216, Packaging="Cut Tape (CT)"
R11 R12 R13 R51 R52 R53 R54 R55 R56 R57 R58 R61: library part R0402_0R, "0 Ohms Jumper Chip Resistor 0402 (1005 Metric) Moisture Resistant Thick Film", LCSC Part=C60485, Manufacture Part Number=RC0402JR-070RL, Manufacturer=YAGEO, Package=0402, Tolerance=±1%, Link=https://www.lcsc.com/product-detail/Chip-Resistor-Surface-Mount_YAGEO-RC0402JR-070RL_C60485.html?s_z=n_RC0402JR-070RL, Link Digikey=https://www.digikey.com/en/products/detail/yageo/RC0402JR-070RL/726406, Packaging="Cut Tape (CT)"
R14 R20 R27 R31 R40 R45 R47 R59: library part R0402_4.7K, "4.7 kOhms ±1% 0.063W, 1/16W Chip Resistor 0402 (1005 Metric) Thick Film", LCSC Part=C851841, Manufacture Part Number=RC0402FR-074K7P, Manufacturer=YAGEO, Package=0402, Tolerance=±1%, Link=https://www.lcsc.com/product-detail/Chip-Resistor-Surface-Mount_YAGEO-RC0402FR-074K7P_C851841.html?s_z=n_RC0402FR-074K7P, Link Digikey=https://www.digikey.com/en/products/detail/yageo/RC0402FR-074K7P/4935287, Packaging="Cut Tape (CT)"
R16 R17 R18 R38: library part R0402_1K, "1 kOhms ±1% 0.063W, 1/16W Chip Resistor 0402 (1005 Metric) Moisture Resistant Thick Film", LCSC Part=C106235, Manufacture Part Number=RC0402FR-071KL, Manufacturer=YAGEO, Package=0402, Tolerance=±1%, Link=https://www.lcsc.com/product-detail/Chip-Resistor-Surface-Mount_YAGEO-RC0402FR-071KL_C106235.html?s_z=n_RC0402FR-071KL, Link Digikey=https://www.digikey.com/en/products/detail/yageo/RC0402FR-071KL/726513, Packaging="Cut Tape (CT)"
R21 R22: library part R0402_20K, "20 kOhms ±1% 0.063W, 1/16W Chip Resistor 0402 (1005 Metric) Moisture Resistant Thick Film", LCSC Part=C93942, Manufacture Part Number=RC0402FR-0720KL, Manufacturer=YAGEO, Package=0402, Tolerance=±1%, Link=https://www.lcsc.com/product-detail/Chip-Resistor-Surface-Mount_YAGEO-RC0402FR-0720KL_C93942.html?s_z=n_RC0402FR-0720KL, Link Digikey=https://www.digikey.com/en/products/detail/yageo/RC0402FR-0720KL/726557, Packaging="Cut Tape (CT)"
R25: library part R0402_12K, "12 kOhms ±1% 0.063W, 1/16W Chip Resistor 0402 (1005 Metric) Moisture Resistant Thick Film", LCSC Part=C114760, Manufacture Part Number=RC0402FR-0712KL, Manufacturer=YAGEO, Package=0402, Tolerance=±1%, Link=https://www.lcsc.com/product-detail/Chip-Resistor-Surface-Mount_YAGEO-RC0402FR-0712KL_C114760.html?s_z=n_RC0402FR-0712KL, Link Digikey=https://www.digikey.com/en/products/detail/yageo/RC0402FR-0712KL/726532, Packaging="Cut Tape (CT)"
R34 R35 R36 R37: library part R0402_100R, "100 Ohms ±1% 0.063W, 1/16W Chip Resistor 0402 (1005 Metric) Automotive AEC-Q200, Moisture Resistant Thick Film", LCSC Part=C4553535, Manufacture Part Number=AC0402FR-13100RL, Manufacturer=YAGEO, Package=0402, Tolerance=±1%, Link=https://www.lcsc.com/product-detail/Chip-Resistor-Surface-Mount_YAGEO-AC0402FR-13100RL_C4553535.html?s_z=n_AC0402FR-13100RL, Link Digikey=https://www.digikey.com/en/products/detail/yageo/AC0402FR-13100RL/13694174, Packaging="Cut Tape (CT)"
R39: library part R0402_3K, "3 kOhms ±1% 0.063W, 1/16W Chip Resistor 0402 (1005 Metric) Automotive AEC-Q200, Moisture Resistant Thick Film", LCSC Part=C144761, Manufacture Part Number=AC0402FR-073KL, Manufacturer=YAGEO, Package=0402, Tolerance=±1%, Link=https://www.lcsc.com/product-detail/Chip-Resistor-Surface-Mount_YAGEO-AC0402FR-073KL_C144761.html?s_z=n_AC0402FR-073KL, Link Digikey=https://www.digikey.com/en/products/detail/yageo/AC0402FR-073KL/5895335, Packaging="Cut Tape (CT)"
R49: library part R0402_15K, "15 kOhms ±1% 0.063W, 1/16W Chip Resistor 0402 (1005 Metric) Moisture Resistant Thick Film", LCSC Part=C114761, Manufacture Part Number=RC0402FR-0715KL, Manufacturer=YAGEO, Package=0402, Tolerance=±1%, Link=https://www.lcsc.com/product-detail/Chip-Resistor-Surface-Mount_YAGEO-RC0402FR-0715KL_C114761.html?s_z=n_RC0402FR-0715KL, Link Digikey=https://www.digikey.com/en/products/detail/yageo/RC0402FR-0715KL/726541, Packaging="Cut Tape (CT)"
R50: library part R0402_51K, "51 kOhms ±1% 0.063W, 1/16W Chip Resistor 0402 (1005 Metric) Moisture Resistant Thick Film", LCSC Part=C107229, Manufacture Part Number=RC0402FR-0751KL, Manufacturer=YAGEO, Package=0402, Tolerance=±1%, Link=https://www.lcsc.com/product-detail/Chip-Resistor-Surface-Mount_YAGEO-RC0402FR-0751KL_C107229.html?s_z=n_RC0402FR-0751KL, Link Digikey=https://www.digikey.com/en/products/detail/yageo/RC0402FR-0751KL/726628, Packaging="Cut Tape (CT)"
SP1 SP2 SP3 SP4: library part "SOLDERING PAD", "Soldering Pad"
SW1 SW2 SW3 SW4 SW5: "Without bracket 50mA 3.6mm 100000 Times 260gf 12V 3.5mm 3.5mm Rectangle button Standing paste SPST SMD,3x6mm Tactile Switches ROHS", LCSC Part=C18078107, Manufacturer=Bossie, Package=SMD,3x6mm, Link=https://www.lcsc.com/product-detail/Tactile-Switches_Bossie-BX-TS-26-3635TT_C18078107.html?s_z=n_tactile, Manufacture Part Number=C18078107, Packaging="Cut Tape"
TP1 TP2 TP3 TP4 TP5 TP6 TP7 TP8 TP9 TP10 TP11 TP12 TP13 TP14 TP15 TP16 TP17 TP18 TP19 TP20 TP21 TP22 TP23 TP24 TP25 TP26 TP27 TP28 TP29 TP30 TP31 TP32: library part TEST_POINT
U1: "ESOP-8 Battery Management ICs ROHS", LCSC Part=C7473158, Manufacture Part Number=TP4056-MS, Manufacturer=MSKSEMI, Package=ESOP-8, Link=https://www.lcsc.com/product-detail/Battery-Management_MSKSEMI-TP4056-MS_C7473158.html?s_z=n_tp4056, Packaging="Cut Tape (CT)"
U2: "-300mV~8V Lithium-Ion/Polymer 1 SOT-23-6  Battery Management ROHS", LCSC Part=C2927799, Manufacturer=YONGYUTAI, Package=SOT-23-6, Link=https://jlcpcb.com/partdetail/YONGYUTAI-DW01A/C2927799, Manufacture Part Number=DW01A, Packaging="Cut Tape (CT)"
U3 U4 U5: "300mA Fixed 3.3V Positive electrode 5.5V SOT-23-5 Voltage Regulators - Linear, Low Drop Out (LDO) Regulators ROHS", LCSC Part=C15651, Manufacturer="Richtek Tech", Package=SOT-23-5, Link=https://www.lcsc.com/product-detail/Voltage-Regulators-Linear-Low-Drop-Out-LDO-Regulators_Richtek-Tech-RT9193-33GB_C15651.html?s_z=n_rt9193, Manufacture Part Number=RT9193-33GB, Packaging="Cut Tape"
U6: "IoT/ M2M-optimized  / LTE Cat 1 Module", Manufacturer=Quectel, Package=LCC, Supply Voltage Range="3.4~4.3 V，typ. 3.8 V", Interface Type="TCP/ UDP/ PPP/ NTP/ NITZ/ FTP/ HTTP/ PING/ CMUX*/ HTTPS/ FTPS/ SSL/ FILE/ MQTT/ MMS*/ SMTP*/", Link=https://www.quectel.com.cn/product/ec800m-cn, Manufacture Part Number=EC800M-CN
U7: "Amplifier", Manufacturer="ChipSourceTek Technology", Package=ESOP-10, Manufacture Part Number=HAA9811, Packaging="Cut Tape (CT)"
U8: "72.2Mbps IoT 2400MHz~2483.5MHz 2.4GHz QFN-32-EP(5x5) RF Transceiver ICs ROHS", Frequency Range=2400MHz~2483.5MHz, LCSC Part=C967018, Manufacturer="Espressif Systems", Package=QFN-32-EP(5x5), Receive Current=72mA, Interface Type=ADC;GPIO;I2C;I2S;PWM;SDIO;SPI;UART, Link=https://www.lcsc.com/product-detail/RF-Transceiver-ICs_Espressif-Systems-ESP8285N08_C967018.html?s_z=n_ESP8285N08, Manufacture Part Number=ESP8285N08, Packaging="Cut Tape (CT)"
Y1: library part 26MHz-3225-4P, "26MHz Surface Mount Crystal 15pF ±10ppm SMD3225-4P Crystals ROHS", LCSC Part=C479205, Manufacture Part Number=S3226000151040, Manufacturer=JGHC, Package=SMD3225-4P, Link=https://www.lcsc.com/product-detail/Crystals_JGHC-S3226000151040_C479205.html?s_z=n_C479205, Packaging="Cut Tape (CT)"

## Via types
v1: diameter 0.61, hole 0.305, Top Layer to Bottom Layer, tented both sides, 342 vias
v2: diameter 0.6, hole 0.3, Top Layer to Bottom Layer, tented both sides, 151 vias
v3: diameter 0.889, hole 0.381, Top Layer to Bottom Layer, tented both sides, 24 vias
v4: diameter 0.45, hole 0.2, Top Layer to Bottom Layer, tented both sides, 13 vias
v5: diameter 1.016, hole 0.508, Top Layer to Bottom Layer, tented both sides, 9 vias

## Nets (pads, with @x,y where several pads share a name; then routed paths per layer and width w, separated by ;. In a path a pad name is that pad's centre, name@x,y a point inside that pad or via, vN(x,y) a via of type N, cw(c..) or ccw(c..) an arc to the next point about the centre after c; other vN are vias at no path point)
7SEG_DIO: JP5.2 Q11.3 R41.1 | length 14.9
  Bottom Layer w0.127: Q11.3@69.723,9.906 71.996,9.906 72.771,10.681 72.771,19.177 73.279,19.685 JP5.2@75.565,19.685
7SEG_RCLK: JP5.3 Q12.3 R46.1 | length 12.4
  Bottom Layer w0.127: Q12.3@69.945,14.671 71.694,14.671 72.517,15.494 72.517,21.717 73.025,22.225 JP5.3@75.565,22.225
7SEG_SCLK: JP5.4 Q13.3 R48.1 | length 11
  Bottom Layer w0.127: Q13.3@69.844,19.05 R48.1@71.12,19.05 71.755,19.05 72.009,19.304 72.009,24.257 72.517,24.765 JP5.4@75.565,24.765
DBG_RXD: Q3.3 R15.1 U6.38 | length 44.5
  Layer 1 w0.127: v2(17.102,35.771) 18.161,34.711 18.161,26.797 18.933,26.025 32.502,26.025 33.565,27.088 33.565,30.316 32.766,31.115 v2(32.766,32.385)
  Bottom Layer w0.127: R15.1@9.271,33.612 9.265,33.618 Q3.3@9.265,35.771 v2(17.102,35.771) ; U6.38@32.728,29.151 32.747,29.17 32.747,32.366 v2(32.766,32.385)
DBG_TXD: Q6.2 U6.39 | length 35.6
  Layer 1 w0.127: v2(17.107,30.315) 17.907,29.514 17.907,26.67 18.793,25.784 32.642,25.784 33.847,26.989 v2(33.847,31.491)
  Bottom Layer w0.127: Q6.2@9.144,30.315 v2(17.107,30.315) ; U6.39@33.828,29.151 33.837,29.16 33.837,31.481 v2(33.847,31.491)
DEBUG_RXD: JP2.1 Q3.2 | length 5.6
  Bottom Layer w0.127: JP2.1@2.794,35.433 2.794,36.449 3.066,36.721 Q3.2@7.265,36.721
DEBUG_TXD: JP2.2 Q6.3 R19.1 | length 5.8
  Bottom Layer w0.127: JP2.2@2.794,32.893 2.794,31.496 3.025,31.265 R19.1@5.842,31.265 Q6.3@7.144,31.265
ESP_RST: JP3.4 R26.1 U8.32 | length 26.4
  Layer 1 w0.127: v2(65.473,47.058) 65.473,38.286 66.929,36.83 70.485,36.83 71.704,35.611 JP3.4@71.704,30.861
  Bottom Layer w0.127: v2(65.473,47.058) R26.1@65.473,46.101 66.04,46.101 cw(c66.04,45.847) 66.294,45.847 66.294,44.127 ccw(c66.572,44.127) 66.572,43.849 U8.32@67.987,43.849
ESP_RXD: JP3.3 U8.25 | length 11.3
  Bottom Layer w0.127: U8.25@67.987,40.349 67.146,40.349 66.929,40.132 66.929,34.671 69.164,32.436 JP3.3@69.164,30.861
ESP_TXD: JP3.2 U8.26 | length 11
  Bottom Layer w0.127: JP3.2@66.624,30.861 66.624,40.208 67.265,40.849 U8.26@67.987,40.849